# KiCad board servo.kicad_pcb (continued)
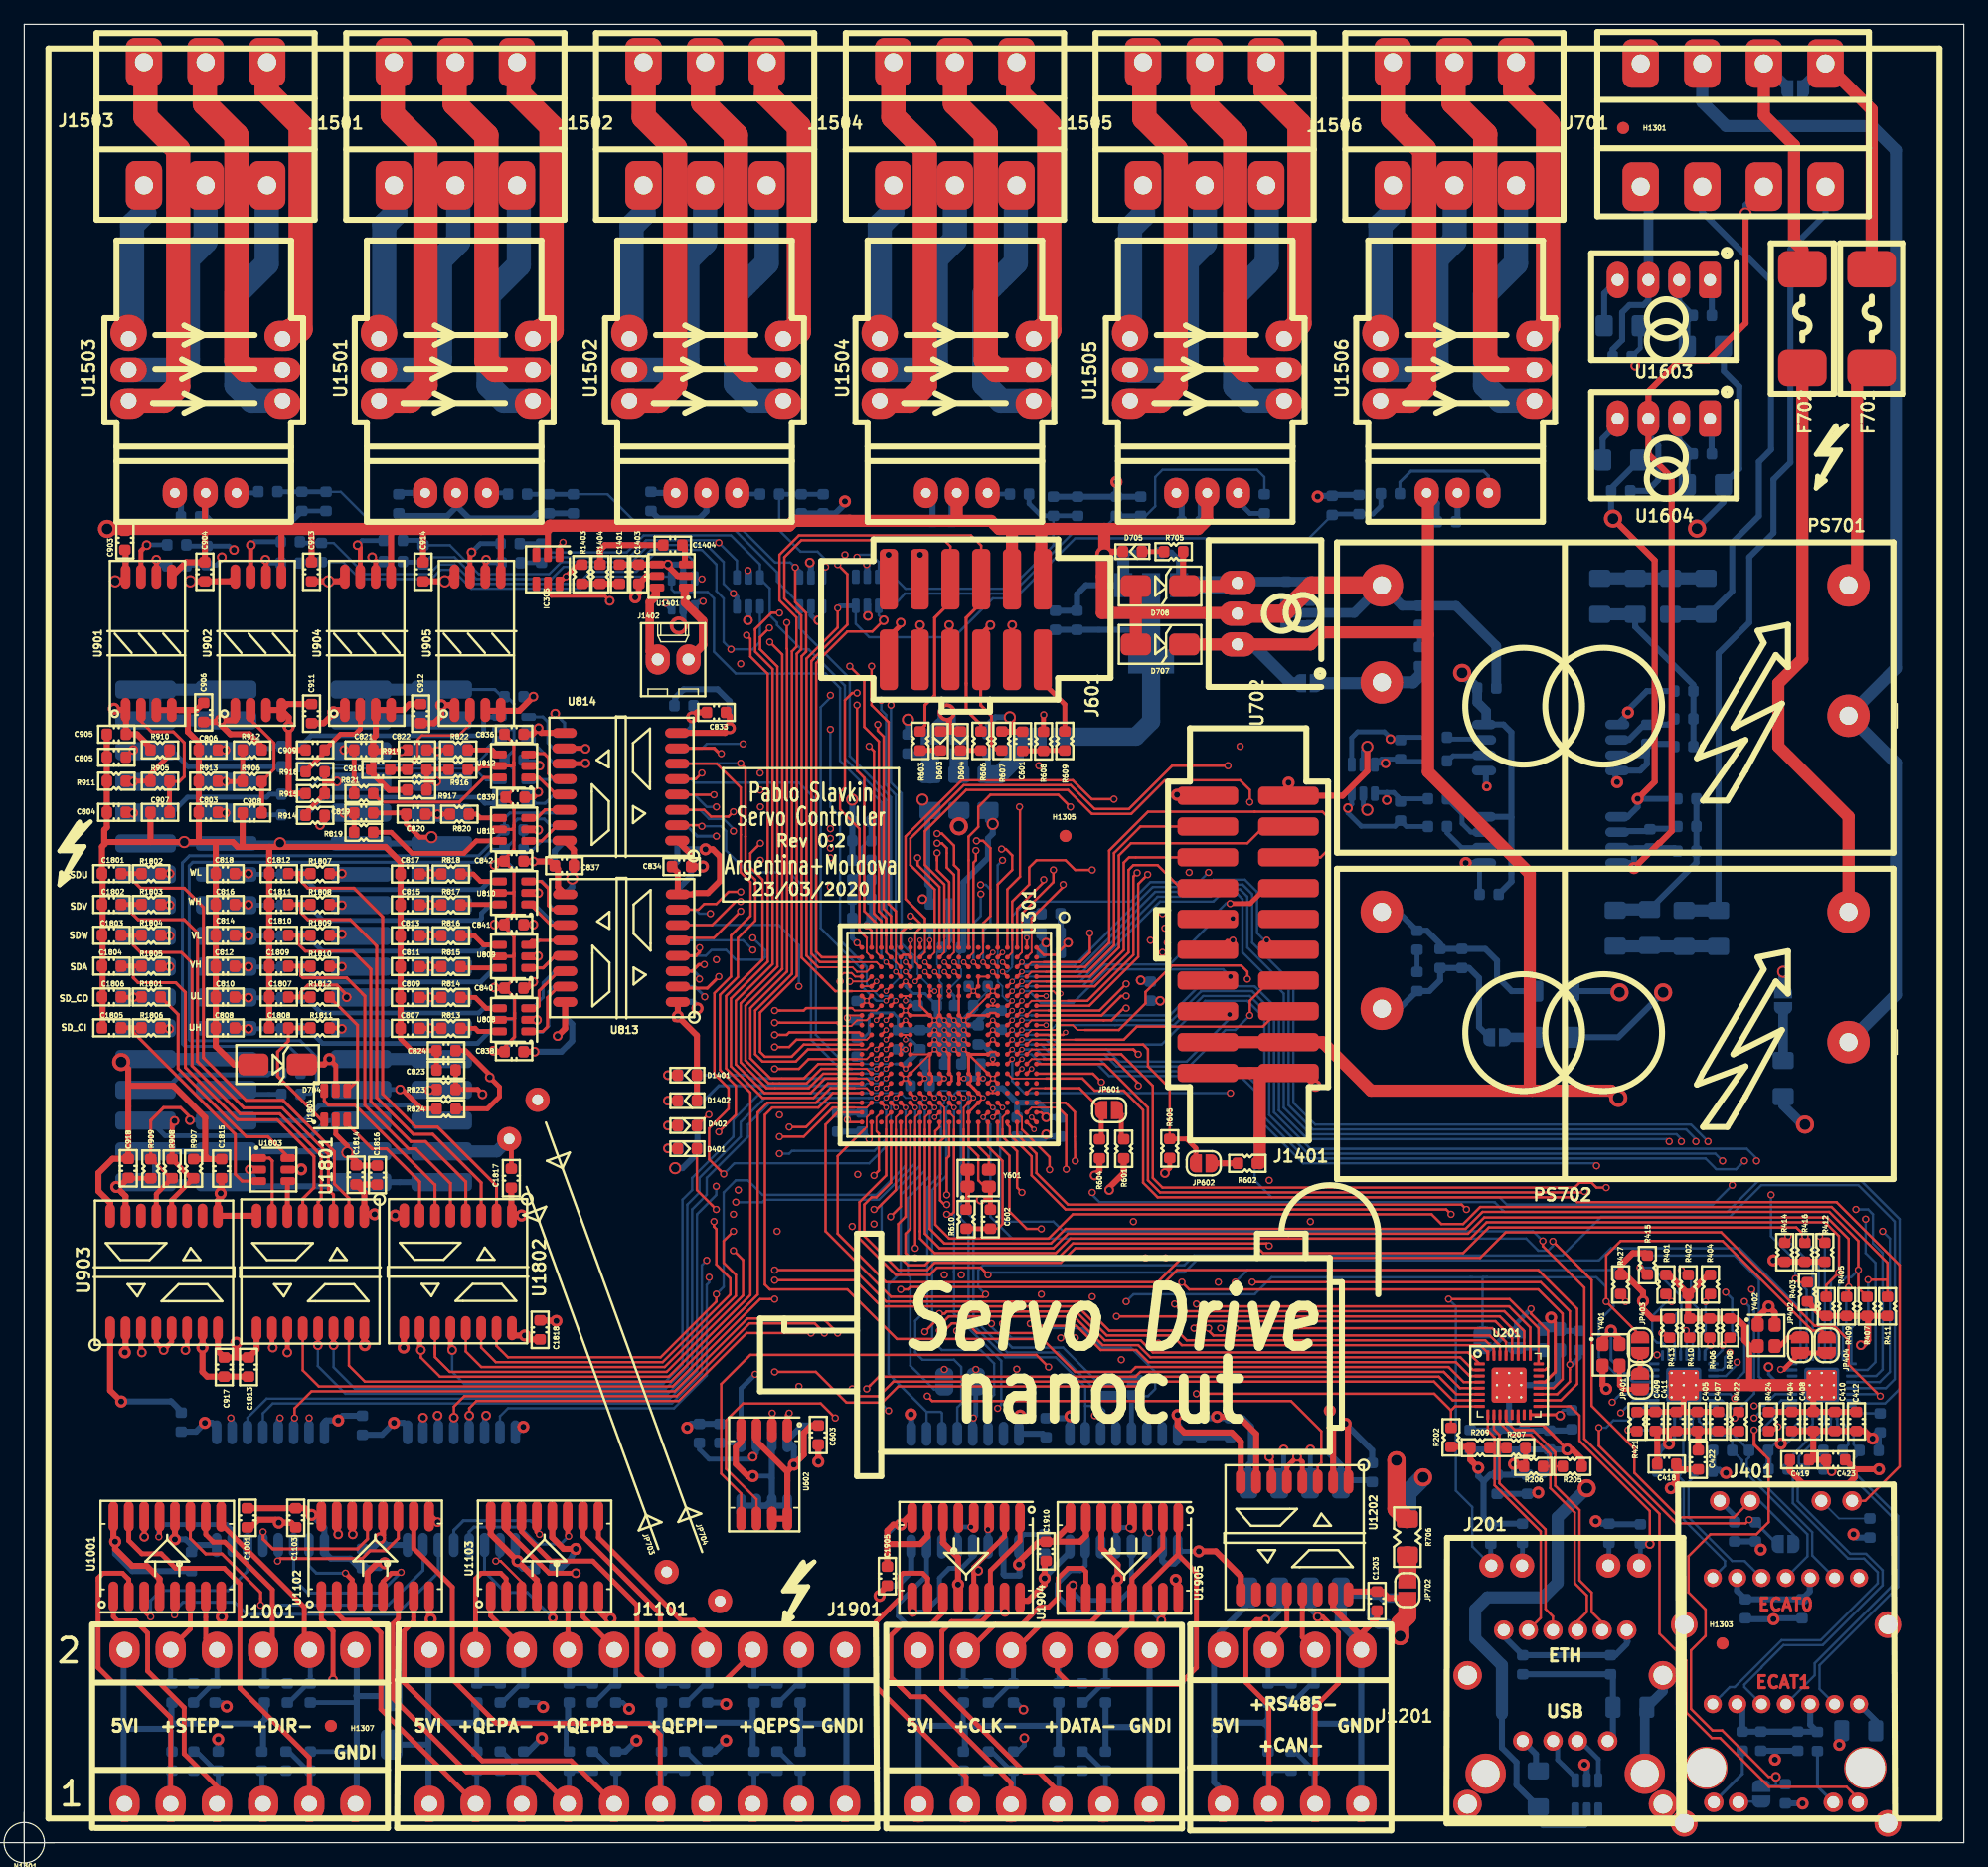
[diagram p0: board, top side]
## Routing (per net, layer and track width the routed paths; a pad name or vN(x,y) marks a point on that pad's centre or on a via; arc(x,y) is an arc through that point) (continued)
  Bottom w0.5: U801.16 45.2,78.82 v7(45.2,79.54) 45.2,80.44 C832.1 ; 25.87,93.26 26.54,92.58 J1705.31 ; J1705.9 v3(25.17,64.64)
  Bottom w0.8: J1704.32 15.86,95.12
  Bottom w1: 15.86,95.12 10.81,95.12 J1704.31 J1704.32 ; J1704.10 12.13,64.64 ; J1705.9 J1705.10 ; 28.59,95.12 33.64,95.12 J1705.32 J1705.31 28.59,95.12
/ac_in/5VC_IN: length 9.6
  Bottom w0.8: R701.1 115.1,96.24
  Bottom w1: 115.1,96.24 114.57,95.71 PS701.4 111.92,95.64 JP701.1
/uc_power/1V2uC_in: length 7.5
  Bottom w0.5: C526.2 L503.1
  Bottom w1.5: L503.1 80.48,88.13 81.7,89.35 81.7,90.24 82.7,91.24 83.5,91.24
/uc_power/3V3A_in: length 3.2
  Bottom w0.5: JP502.2 72.96,89.79 C508.2
  Bottom w1.5: L502.1 74.73,89.44
/uc_power/3V3uC_in: length 1.3
  Bottom w0.152: 77.09,88.11 L501.1
  Bottom w1.5: L501.1 77.1,89.44
GND: length 1691.2
  Top w0.152: v2(75.1,59.84) U301.L18 ; U301.L8 U301.L6 U301.L5 ; U301.M12 v2(75.1,65.44) ; U301.M12 U301.P14 ; U301.M12 U301.P12 U301.P11 ; U301.M12 U301.M14 ; U301.F6 U301.H8 ; 54.45,104.49 54.3,104.64 ; 54.45,104.49 54.5,104.49 54.45,104.49 ; 54.45,104.49 54.3,104.64 ; 52.3,105.44 v4(53.1,105.44) ; U301.P2 73.1,73.04
  Top w0.2: U301.H10 v2(77.5,67.04) ; U301.M9 v2(75.1,67.84) ; v2(75.1,67.84) U301.L8 v2(75.9,67.84) U301.K9 ; v2(75.1,67.84) U301.M8 ; v2(75.1,67.84) U301.L9 ; U301.J10 v2(76.7,67.04) ; U301.M11 v2(75.1,66.24) U301.L11 ; v2(79.9,70.24) U301.F6 ; v2(79.9,70.24) U301.E5 ; v2(79.9,70.24) U301.E6 ; v2(79.9,70.24) U301.F5 ; v2(77.5,65.44) U301.H12 U301.F14 v2(79.9,63.04) ; U301.L12 v2(75.1,65.44) ; U301.L10 v2(75.1,67.04) U301.M10 ; U301.J12 v2(76.7,65.44) ; v2(77.5,67.84) U301.J8 U301.J6 U301.J5 ; v2(77.5,67.84) U301.H8 U301.F8 79.7,68.44 80.1,68.44 U301.E8 ; v2(77.5,67.84) U301.H9 ; U301.J9 v2(76.7,67.84) U301.K8 ; U301.J11 v2(76.7,66.24) ; U301.K12 v2(75.9,65.44) ; U301.M8 U301.P8 v2(72.7,68.64) ; U301.M8 73.9,69.04 U301.N6 U301.N5 ; U301.H11 v2(77.5,66.24) ; U301.K10 v2(75.9,67.04) ; U301.K11 v2(75.9,66.24) ; U301.W7 v2(69.5,69.44) ; v2(69.5,69.44) U301.V6 ; v2(69.5,69.44) U301.V7 ; v2(69.5,69.44) U301.W6 ; U301.E12 80.1,65.24 79.7,65.24 U301.F12 ; U301.K14 76.5,63.24 76.5,62.84 U301.K15 ; v2(85.9,66.84) 85.7,66.64 U301.A10 ; v2(73.1,74.44) U301.P1 U301.P2 72.9,73.24 72.5,73.24 U301.R2 ; Y601.2 79.22,54.12 78.7,54.64 78.7,56.64 77.9,57.44 U301.H19 U301.H18 U301.G17 v2(79.1,61.44) U301.G16 ; v2(79.9,63.04) U301.E15 ; v2(79.9,63.04) U301.F15 ; v2(79.9,63.04) U301.E14 ; U301.M15 74.9,62.84 74.9,63.24 U301.M14 ; v4(86.1,74.24) 85.1,73.24 84.1,73.24 U301.A1 ; U301.R5 v2(72.7,71.04) U301.P5 ; U301.P7 v2(72.7,68.64) ; v2(72.7,68.64) U301.R7 ; v2(72.7,68.64) U301.R8 ; U301.R15 v2(72.7,63.04) ; v2(72.7,63.04) U301.P14 ; v2(72.7,63.04) U301.P15 ; v2(72.7,63.04) U301.R14 ; v5(67.9,59.64) 68.1,59.44 U301.W19 ; U301.N1 v2(73.9,74.44) ; U301.A19 v2(83.1,59.84) ; U301.W1 v5(68.71,74.23) ; U301.H14 78.1,63.24 78.1,62.84 U301.H15
  Top w0.25: U301.G16 U301.H15 ; U301.F12 U301.H12 U301.H14 ; U301.K14 U301.K12
  Top w0.4: 79.7,53.04 79.7,53.99 Y601.2 ; 79.7,53.04 C602.2 ; 79.7,53.04 v4(78.9,53.04)
  Top w0.5: 43.2,106.14 43.2,108.28 43.1,108.37 ; 136.3,30.84 136.34,30.8 C422.2 ; 136.3,30.84 136.29,30.85 C418.2 ; 136.3,30.84 136.3,29.84 135.83,29.38 ; C834.2 53.92,80.04 U813.8 55.17,78.24 55.28,78.34 56.4,78.34 57.4,79.34 57.4,81.34 56.8,81.94 v3(56.2,81.94) ; v4(89.5,53.84) 89.5,54.04 90.7,55.24 R601.2 ; C408.2 C410.2 C412.2 ; C408.2 C404.1 143.9,35.55 R424.2 ; C408.2 147.59,37.05 U403.33 ; C833.2 58.2,92.93 v3(58.2,91.94) 57.81,91.55 U814.8 ; C913.1 23.7,108.37 ; 17.7,40.03 C917.1 15.98,40.55 U903.8 ; 17.7,40.03 17.5,40.23 v3(17.5,41.24) ; 17.7,40.03 C1813.2 19.17,40.69 U1801.9 ; v3(8.3,40.44) 8.36,40.5 U903.2 ; R401.2 135.69,46.84 R402.2 ; U905.5 39.31,108.18 39.5,108.37 ; v3(95.15,35.29) 95.15,34.39 95.7,33.84 99.6,33.84 100.36,33.09 U1202.8 ; R421.2 134.54,35.53 C409.2 ; R411.2 R407.2 ; R407.2 R409.2 R405.2 148.3,43.45 R403.2 ; R407.2 152.1,43.37 152.1,41.44 151.7,41.04 ; v3(130.5,37.44) 130.2,37.74 Y401.2 ; C603.1 v3(65.5,31.44) ; C601.1 81.5,91.65 ; 81.5,91.65 80.68,91.65 ; 81.5,91.65 81.5,92.64 v7(81.3,92.84) ; v1(89.1,106.24) 89.36,106.5 D705.1 ; v7(110.8,90.4) 110.8,88.4 108.76,86.36 J1401.2 104.3,87.17 v3(104.3,87.44) ; U1802.9 v3(31.3,40.84) ; 137.27,43.31 137.16,43.21 ; R402.2 137.32,45.26 138.9,46.84 R404.2 ; R402.2 137.27,43.36 R410.2 R406.2 R408.2 141.28,43.23 141.9,42.61 141.9,41.44 142.38,40.97 Y402.2 142.3,40.97 142.3,37.95 142.5,37.75 ; v3(106.51,62.44) 106.5,62.44 105.44,63.5 J1401.20 ; C409.2 C411.2 136.8,35.55 ; C409.2 134.7,35.55 ; U901.5 13.36,105.63 C904.1 14.9,111.27 U1503.8 ; v4(53.1,105.44) 53.1,105.3 53.91,104.49 54.5,104.49 ; C1818.2 v3(43.9,43.04) ; 136.8,35.55 136.9,35.64 U402.33 ; 136.8,35.55 C405.2 C407.2 ; C903.1 6.98,108.23 v1(6.84,108.37) 6.5,108.04 ; C419.2 145.66,30.68 146.7,29.64 150.5,29.64 151,30.13 151,30.8 ; 59.14,33.51 U602.4 59.14,33.06 58.7,32.63 58.7,31.24 59.7,30.24 v3(60.1,30.24) ; U1202.2 107.98,33.97 107.7,34.24 v3(107.7,35.64) ; 52.3,105.47 52.26,105.43 C1403.2 C1401.1 ; 52.3,105.44 53.08,105.44 53.1,105.47 ; U902.5 21.22,108.32 ; 151,30.8 v3(153,30.8) ; 151,30.8 C423.2 ; C914.1 32.9,108.17 33.1,108.37 ; J1401.19 98.31,63.37 ; U904.5 30.26,108.21 30.1,108.37 ; 80,108.8 79.76,109.04
  Top w1: 91.7,101.44 100.04,101.44 U702.2 ; 91.7,101.44 D708.2 ; 91.7,101.44 D707.2 ; 91.7,101.44 88.9,101.44 88.9,106.04 v1(89.1,106.24) 89.1,108.37 ; 68.1,109.04 67.1,109.04 ; 68.1,109.04 63.49,109.04 63.09,108.64 43.37,108.64 43.1,108.37 v1(6.84,108.37) ; 68.1,109.04 76.7,109.04 ; 76.7,109.04 76.93,109.27 U1504.8 ; 76.7,109.04 79.76,109.04 ; 80,108.8 80.43,108.37 81.7,108.37 ; 84.02,104.42 83.9,104.54 83.9,108.37 ; 83.9,108.37 81.7,108.37 ; 83.9,108.37 89.1,108.37 ; 81.7,108.37 81.48,108.16 81.48,104.42 ; U402.33 U403.33 ; J1401.19 J1401.20 101.93,63.5 101.93,56.04 ; U1505.8 97.58,109.12 96.84,108.37 89.1,108.37
  Top w1.5: PS701.3 106.17,103.71 103.84,101.38 U702.2
  GND.Cu w0.152: v2(75.9,67.84) 75.7,68.04 ; 79.9,63.44 78.7,64.64 78.3,64.64 v2(77.5,65.44) ; 77.9,73.64 77.9,71.84 ; 77.5,71.04 77.5,68.64 v2(76.7,67.84) ; 72.7,61.44 73.1,61.04 73.1,59.64 ; 74.3,68.64 69.5,68.64 v2(69.5,69.44) ; 74.3,68.64 74.3,68.84 ; 74.3,68.64 v2(75.1,67.84) ; 79.5,70.24 v2(79.9,70.24) 81.5,71.84 81.5,73.04 ; v2(75.1,67.04) 73.7,67.04 ; 81.5,73.04 81.5,73.84 ; 81.5,73.04 81.5,74.44 ; 76.3,62.24 76.3,60.84 75.9,60.44 ; 78.1,68.84 77.5,68.24 v2(77.5,67.84) ; 73.5,73.44 73.5,71.84 74.3,71.04 ; v2(75.1,59.84) 75.3,59.84 ; 80.85,69.05 82.9,69.05 ; 83.3,66.64 U301.H10 v2(77.5,66.24) ; 76.3,71.24 76.3,73.44 ; 71.9,66.64 70.1,66.64
  GND.Cu w0.2: 72.3,67.04 73.7,67.04
  GND.Cu w0.25: 76.3,71.24 75.7,70.64 75.7,68.04
  GND.Cu w0.4: 83.7,68.84 83.49,69.05 82.9,69.05 ; 80.7,71.04 v2(79.9,70.24) 79.5,70.24 78.1,68.84 ; 75.9,60.44 75.3,59.84 v2(75.1,59.84) ; 77.9,71.84 77.9,71.44 77.5,71.04 v2(77.5,67.84) 78.3,68.64 80.44,68.64 80.85,69.05 ; v2(75.1,67.04) 72.3,67.04 71.9,66.64 ; v2(79.1,61.44) 79.1,61.84 78.3,62.64 78.3,64.64 ; v2(77.5,65.44) 77.9,65.44 79.9,63.44 v2(79.9,63.04) ; 73.5,73.59 73.5,71.84 ; 76.3,62.24 76.7,62.64 v2(76.7,65.44) ; v2(72.7,71.04) 72.7,70.64 75.1,68.24 v2(75.1,67.84) ; 81.5,74.44 81.5,71.84 ; 72.7,61.44 v2(72.7,63.04) 73.1,63.04 73.9,63.84 73.9,64.24 v2(75.1,65.44) ; 74.3,71.04 74.3,68.84
  GND.Cu w0.5: 82.3,76.64 84.7,76.64 86.1,75.24 v4(86.1,74.24) 87.1,73.24 87.1,69.44 86.5,68.84 ; 82.3,76.64 81.5,75.84 81.5,74.84 ; 82.3,76.64 81.5,76.64 ; 56.4,108.37 56.28,108.5 U1502.8 ; 77.9,57.84 75.9,57.84 75.1,58.64 v2(75.1,59.84) ; 77.9,57.84 81.5,57.84 ; 77.9,57.84 77.9,59.84 79.1,61.04 v2(79.1,61.44) 81.3,61.44 ; 135.9,37.75 135.9,37.75 U402.33 U402.33 U402.33 U402.33 U402.33 ; v2(85.9,66.84) 85.9,68.24 86.5,68.84 ; v2(85.9,66.84) 85.9,66.44 ; v2(85.9,66.84) 91.7,66.84 93.7,68.84 v4(93.7,69.44) ; v4(84.3,58.44) 84.3,57.84 83.9,57.44 81.9,57.44 81.5,57.84 ; v3(60.1,30.24) 61.5,31.64 61.5,33.78 ; 85.9,66.44 85.9,62.84 84.5,61.44 82.9,61.44 ; 85.9,66.44 85.5,66.04 84.1,66.04 U301.A10 ; 31.3,38.44 31.3,39.44 30.9,39.84 30.9,40.44 v3(31.3,40.84) ; 81.5,57.84 81.52,57.85 ; 81.5,57.84 81.3,58.04 81.3,59.24 82.3,60.24 82.7,60.24 ; 90.22,111.81 90.22,108.71 89.97,108.46 89.97,108.37 ; 105.88,62.67 106.11,62.44 v3(106.51,62.44) 104.5,62.44 104.3,62.64 ; 70.1,66.64 68.3,66.64 ; 68.3,66.64 68.5,66.64 69.5,67.64 69.5,68.84 ; 68.3,66.64 68.3,60.04 v5(67.9,59.64) 74.9,59.64 v2(75.1,59.84) ; 75.1,59.44 v2(75.1,59.84) ; v2(77.5,67.04) v2(75.1,67.04) ; v3(130.5,37.44) 130,37.94 129.73,37.94 129.7,37.97 129.59,38.04 129.39,37.84 129.39,37.75 ; 57.2,100.84 57.2,104.14 58.4,105.34 58.4,108.37 ; 57.2,100.84 57.2,96.14 58.2,95.14 v3(58.2,91.94) 57,91.94 53.71,88.65 53.71,81.94 ; 57.2,100.84 v4(59.7,100.84) ; 72.3,68.64 74.3,68.64 ; 72.3,68.64 v2(72.7,68.64) ; 72.3,68.64 69.7,68.64 69.5,68.84 ; 74.5,73.59 69.35,73.59 68.7,74.24 ; 74.5,73.59 73.95,73.59 73.9,73.64 v2(73.9,74.44) ; 74.5,73.59 77.85,73.59 ; 69.5,68.84 v2(69.5,69.44) 69.3,69.64 69.3,73.64 v5(68.71,74.23) ; 83.7,68.84 86.5,68.84 ; v3(65.5,31.44) 65.5,33.78 ; v2(77.5,66.24) v2(75.1,66.24) ; 14.7,38.44 14.7,35.55 14.9,35.35 v3(14.9,34.64) ; 123.08,37.75 U201.33 122.49,34.82 ; U403.33 U403.33 ; 35.62,110.79 U1501.8 ; v3(30.5,34.64) 30.5,38.44 ; 82.7,60.24 82.7,61.24 82.9,61.44 ; 82.7,60.24 v2(83.1,59.84) 82.7,60.24 ; 33.2,108.37 33.6,108.37 ; 81.5,74.84 79.1,74.84 77.9,73.64 ; 81.5,74.84 81.5,74.44 ; v2(76.7,67.84) v2(76.7,65.44) ; 76.71,108.37 76.93,108.6 U1504.8 ; 81.3,61.44 82.9,61.44 ; 81.3,61.44 81.3,62.44 80.7,63.04 v2(79.9,63.04) ; 95.3,33.78 95.15,33.94 v3(95.15,35.29) ; v4(53.1,105.44) 53.1,108.07 52.8,108.37 ; 67.7,108.37 v3(67.7,110.64) ; 72.8,108.37 72.8,106 69.6,102.8 v4(69.6,101.2) ; 82.1,33.78 82.16,33.84 v3(82.16,35.24) ; v3(55.54,68.82) 53.71,70.65 53.71,81.94 ; 118.9,87.44 120.33,87.44 ; v3(17.5,41.24) 17.5,38.44 ; v2(73.1,74.44) 73.1,73.64 ; 53.71,81.94 v3(56.2,81.94) ; v4(64.8,105.6) 64.8,108.37 ; U402.33 137.5,37.15 ; 15.2,108.37 14.83,108.37 14.8,108.4 14.8,111.17 U1503.8 14.97,110.79 ; v3(43.9,43.04) 43.9,38.44 ; U402.33 U402.33 ; v2(75.9,67.84) v2(75.9,65.44) ; U403.33 U403.33 ; U403.33 U403.33 U403.33 U403.33 U403.33 ; U201.33 U201.33 U201.33 U201.33 U201.33 ; v2(77.5,67.84) v2(77.5,65.44) v2(75.1,65.44) v2(75.1,67.84) v2(77.5,67.84)
  GND.Cu w1: v3(106.7,111.04) 106.7,108.57 106.5,108.37 ; v6(120.65,87.12) 120.33,87.44 v3(104.3,87.44) ; 97.54,108.37 97.58,108.42 U1505.8 ; 97.54,108.37 52.8,108.37 51.73,109.44 40.67,109.44 39.6,108.37 36.8,108.37 ; 97.54,108.37 106.5,108.37 ; v3(149.73,8.08) 145.65,8.08 v3(144.42,6.86) 142.04,9.24 137.7,9.24 ; U1506.8 118.24,109.24 117.37,108.37 106.5,108.37 ; U403.33 148.29,34.26 151.7,30.84 152.97,30.84 v3(153,30.8) ; 107.9,37.64 107.7,37.44 v3(107.7,35.64) ; U403.33 150.81,37.75 151.5,38.44 v4(151.5,41.04) ; 137.7,9.24 131.47,9.24 J201.4 130.63,7.43 129.68,6.48 v3(128.7,6.44) ; 137.7,9.24 137.1,9.24 137.3,9.44 137.3,12.44 139.9,15.04 139.9,17.44 140.9,18.44 v3(144.3,18.44) 139.9,18.44 135.83,22.51 v3(135.83,29.24) 137.9,31.3 U402.33 ; v3(124.9,28.89) 124.9,34.04 124.5,34.44 122.87,34.44 122.49,34.82 U201.33 ; v3(8.3,40.44) 7.9,40.04 7.9,39.24 8.7,38.44 53.3,38.44 57.96,33.78 101.84,33.78 104.3,36.24 ; 118.9,87.44 118.9,80.83 v3(118.91,80.81) ; U1501.8 35.62,108.78 36.03,108.37 36.8,108.37 ; 89.1,97.24 88.9,97.44 ; v1(6.84,108.37) 7.5,109.04 10.9,109.04 11.7,108.24 14.9,108.24 15.7,109.04 31.3,109.04 31.9,108.44 33.53,108.44 33.6,108.37 36.8,108.37 ; 89.1,108.37 v1(89.1,106.24)
  GND.Cu w1.5: 81.9,76.64 82.3,77.04 82.3,82.44 84.1,84.24 84.1,86.04 87.9,89.84 87.9,91.24 98.04,101.38 U702.2 ; v7(72.9,92.64) 72.9,97.04 73.3,97.44 81.3,97.44 ; U702.2 102.7,101.38 ; U702.2 94.64,101.38 90.7,97.44 82.3,97.44 ; 102.7,101.38 109.66,101.38 PS701.3 ; 102.7,101.38 104.3,99.78 104.3,89.84 ; 129.39,37.75 U402.33 ; 82.3,97.44 81.3,97.44 ; 82.3,97.44 79.6,97.44 ; 81.3,97.44 v7(81.3,92.84) ; 104.3,89.84 104.3,36.24 ; 104.3,89.84 104.3,90.04 ; 129.21,37.75 U201.33 122.38,37.64 104.3,37.64
  In2.Cu w0.5: 75.1,65.57 75.23,65.44 v2(77.5,65.44) v2(77.5,67.84) v2(75.1,67.84) v2(75.1,65.44) ; v2(75.1,67.04) v2(77.5,67.04) ; v2(75.1,66.24) v2(77.5,66.24) ; v2(75.9,67.84) v2(75.9,65.44) ; v2(76.7,67.84) v2(76.7,65.44)
  In3.Cu w0.5: v2(76.7,67.84) v2(76.7,65.44) ; v2(77.5,67.04) v2(75.1,67.04) ; v2(77.5,66.24) v2(75.1,66.24) ; v2(75.9,67.84) v2(75.9,65.44) ; v2(75.1,67.84) v2(75.1,65.44) v2(77.5,65.44) v2(77.5,67.84) v2(75.1,67.84)
  Vcc.Cu w0.5: v2(75.1,67.04) v2(77.5,67.04) ; v2(76.7,67.84) v2(76.7,65.44) ; v2(75.9,67.84) v2(75.9,65.44) ; v2(77.5,66.24) v2(75.1,66.24) ; v2(75.1,67.84) v2(75.1,65.44) v2(77.5,65.44) v2(77.5,67.84) 75.2,67.84 75.15,67.79
  Bottom w0.152: C505.2 79.49,70.24 C512.2 78.29,68.63 ; 75.89,65.43 v2(75.9,65.44) ; 77.5,64.63 77.11,64.24 ; 78.7,67.82 C502.2 ; 75.09,67.85 v2(75.1,67.84) ; 73.91,67.04 C516.2 ; 75.5,73.64 C530.2 75.3,73.44 75.3,72.44 75.5,72.24 75.5,71.04 75.7,70.84 75.7,69.64 75.29,69.23 C520.2 ; C301.2 68.31,75.83 ; C519.2 68.71,69.44 v2(69.5,69.44) ; 92.69,69.44 92.7,69.45 ; 59.81,102 59.74,102.07
  Bottom w0.25: C303.2 69.63,82.64 69.1,82.11 69.1,80.23 R302.2 ; 120.58,87.45 120.65,87.38 v6(120.65,87.12) ; 75.09,69.04 75.09,69.25 74.3,70.04 73.3,70.04 72.7,70.64 v2(72.7,71.04) ; C511.2 72.1,68.04 71.7,68.44 69.9,68.44 69.7,68.24 69.7,66.84 69.3,66.44 68.7,66.44 ; C1603.1 121.67,95.25 ; 68.9,66.63 C506.2
  Bottom w0.4: 61.67,30.04 61.47,30.24 v3(60.1,30.24) ; v5(68.71,74.23) 68.31,74.63 C301.2 C302.2 R302.2 ; v2(69.5,69.44) 69.49,69.43 C519.2 ; 120.58,80.81 120.06,80.29 C1604.1 ; v7(110.8,90.4) 110.46,90.06 110.46,88.83 ; R1506.2 22.9,109.85 C1509.1
  Bottom w0.5: v2(77.5,65.44) 77.5,64.63 ; v2(77.5,65.44) v2(75.1,65.44) v2(75.1,67.84) 75.3,67.84 ; v2(77.5,65.44) v2(77.5,67.84) ; 71.9,67.03 C516.2 ; 80.7,68.63 79.51,68.63 78.7,67.82 ; 78.29,68.63 v2(77.5,67.84) ; v2(77.5,67.84) 75.3,67.84 ; 73.91,67.04 v2(75.1,67.04) v2(77.5,67.04) ; C501.2 75.89,65.43 ; 77.5,67.44 77.51,67.43 C502.2 ; v3(58.2,91.94) 58.2,94.14 57.2,95.14 54.4,95.14 53.7,94.44 53.7,93.86 C825.2 ; 120.58,80.81 v3(118.91,80.81) ; v2(76.7,67.84) v2(76.7,65.44) ; C826.2 53.88,80.93 U802.8 54.57,81.94 v3(56.2,81.94) ; C303.2 C304.2 ; v3(124.9,28.89) 124.79,28.78 C211.2 C209.2 ; v3(67.7,110.64) 67.7,110.44 66.91,109.65 R1504.2 C1502.1 ; 64.9,104.27 64.9,105.5 v4(64.8,105.6) ; R1502.2 C1501.1 42.31,109.65 41.9,109.24 36.7,109.24 35.62,110.32 U1501.8 35.62,110.16 34.9,109.44 31.11,109.44 C1505.1 ; 85.5,74.24 85.5,76.63 C525.2 ; 85.5,74.24 85.5,75.03 ; 85.5,74.24 v4(86.1,74.24) ; 85.5,74.24 C514.2 ; C526.1 79.5,92.24 80.1,92.84 v7(81.3,92.84) ; 125.91,34.09 C207.2 ; C207.2 127.56,34.01 R201.2 ; C207.2 122.5,34.01 ; 122.5,34.01 122.49,34.02 U201.33 126.21,37.75 126.5,38.04 126.5,40.5 126.65,40.65 ; 122.5,34.01 119.75,34.01 ; U1506.8 118.24,109.09 C1512.1 ; IC201.2 128.91,6.24 v3(128.7,6.44) ; 43.25,109.8 43.3,109.85 ; C1511.1 97.05,110.81 U1505.8 ; 15.16,109.24 14.64,109.24 C1504.1 ; 15.16,109.24 15.6,108.8 21.85,108.8 R1506.2 ; 15.16,109.24 14.97,109.43 U1503.8 14.5,110.87 ; C1201.1 C1914.1 95.43,33.45 U1908.8 v3(95.15,35.29) ; C434.1 149.93,8.27 149.74,8.08 v3(149.73,8.08) ; v3(82.16,35.24) 82.06,35.13 U1901.8 84.02,33.73 C1901.1 ; v2(72.7,63.04) 73.11,62.63 C503.2 ; v3(106.7,111.04) 106.76,111.1 C1515.1 107.98,111.18 R1512.2 ; C1508.1 52.31,109.24 55.7,109.24 56.28,109.81 U1502.8 ; C603.1 v3(65.5,31.44) ; C529.1 C531.1 76.29,74.43 C530.2 ; C1510.1 76.5,110.91 U1504.8 ; U1101.9 15.88,34.27 15.5,34.64 v3(14.9,34.64) 14.17,33.91 C1101.1 12.98,33.88 ; 68.3,60.23 C523.2 ; 68.3,60.23 C518.2 ; 68.3,60.23 67.9,60.23 v5(67.9,59.64) ; 75.3,67.84 75.29,67.85 C520.2 ; v4(69.6,101.2) 69.6,102.1 69.57,102.13 ; 120.58,88.43 120.58,87.45 ; 146.68,18.49 C428.1 144.38,18.52 v3(144.3,18.44) 142.06,18.44 C426.1 ; C515.2 82.31,57.84 83.89,57.84 84.3,58.25 ; v4(53.1,105.44) 54.16,105.44 54.36,105.24 54.36,104.2 ; C1513.1 R1508.2 R1510.2 ; U401.3 61.2,27.81 61.67,28.28 U401.7 ; 92.7,69.45 93.69,69.45 v4(93.7,69.44) ; C1106.1 29.51,33.65 v3(30.5,34.64) 31.3,34.64 31.62,34.32 31.62,33.86 ; 85.07,101.6 85.1,101.63 C712.1 86.85,102.99 87.59,103.73 U706.1 ; 144.42,7.59 v3(144.42,6.86) ; 144.42,7.59 C427.1 ; 144.42,7.59 C429.1 ; 90.66,105.98 91.11,106.43 C703.1 ; v2(77.5,66.24) v2(75.1,66.24) ; J201.4 131.06,8.83 C217.1 131.06,13.69 C216.1 C214.1 ; R1510.2 C1514.1 ; R1510.2 v3(90.1,112.24) ; U401.4 U401.1 ; C508.1 v7(72.9,92.64) ; v3(55.54,68.82) 55.54,69 55.18,69.36 U801.8 ; v4(84.3,58.44) 84.49,58.25 C517.2 ; v2(75.9,65.44) v2(75.9,67.84) ; v3(107.7,35.64) 107.7,32.07 108.61,31.16 108.61,29.9 111.05,29.9 C1204.1 ; 59.74,102.07 59.74,101 59.8,100.94 ; 51.9,109.85 51.9,109.84
  Bottom w0.8: 104.1,101.44 109.72,101.44 PS701.3 ; 104.1,101.44 100.16,101.44 U702.2 ; 104.1,101.44 C702.1 C701.1 ; 104.1,101.44 C705.1 C704.1 ; C1603.1 121.44,98.7 118.11,102.03 D701.1 113.68,102.03 PS701.3 ; PS701.3 112,103.25
  Bottom w1: U706.1 90.66,105.98 90.4,106.24 v1(89.1,106.24)
